# Altium PCB LimePSB-RPCM_1v3.PcbDoc (part 5 of 10) (continued)
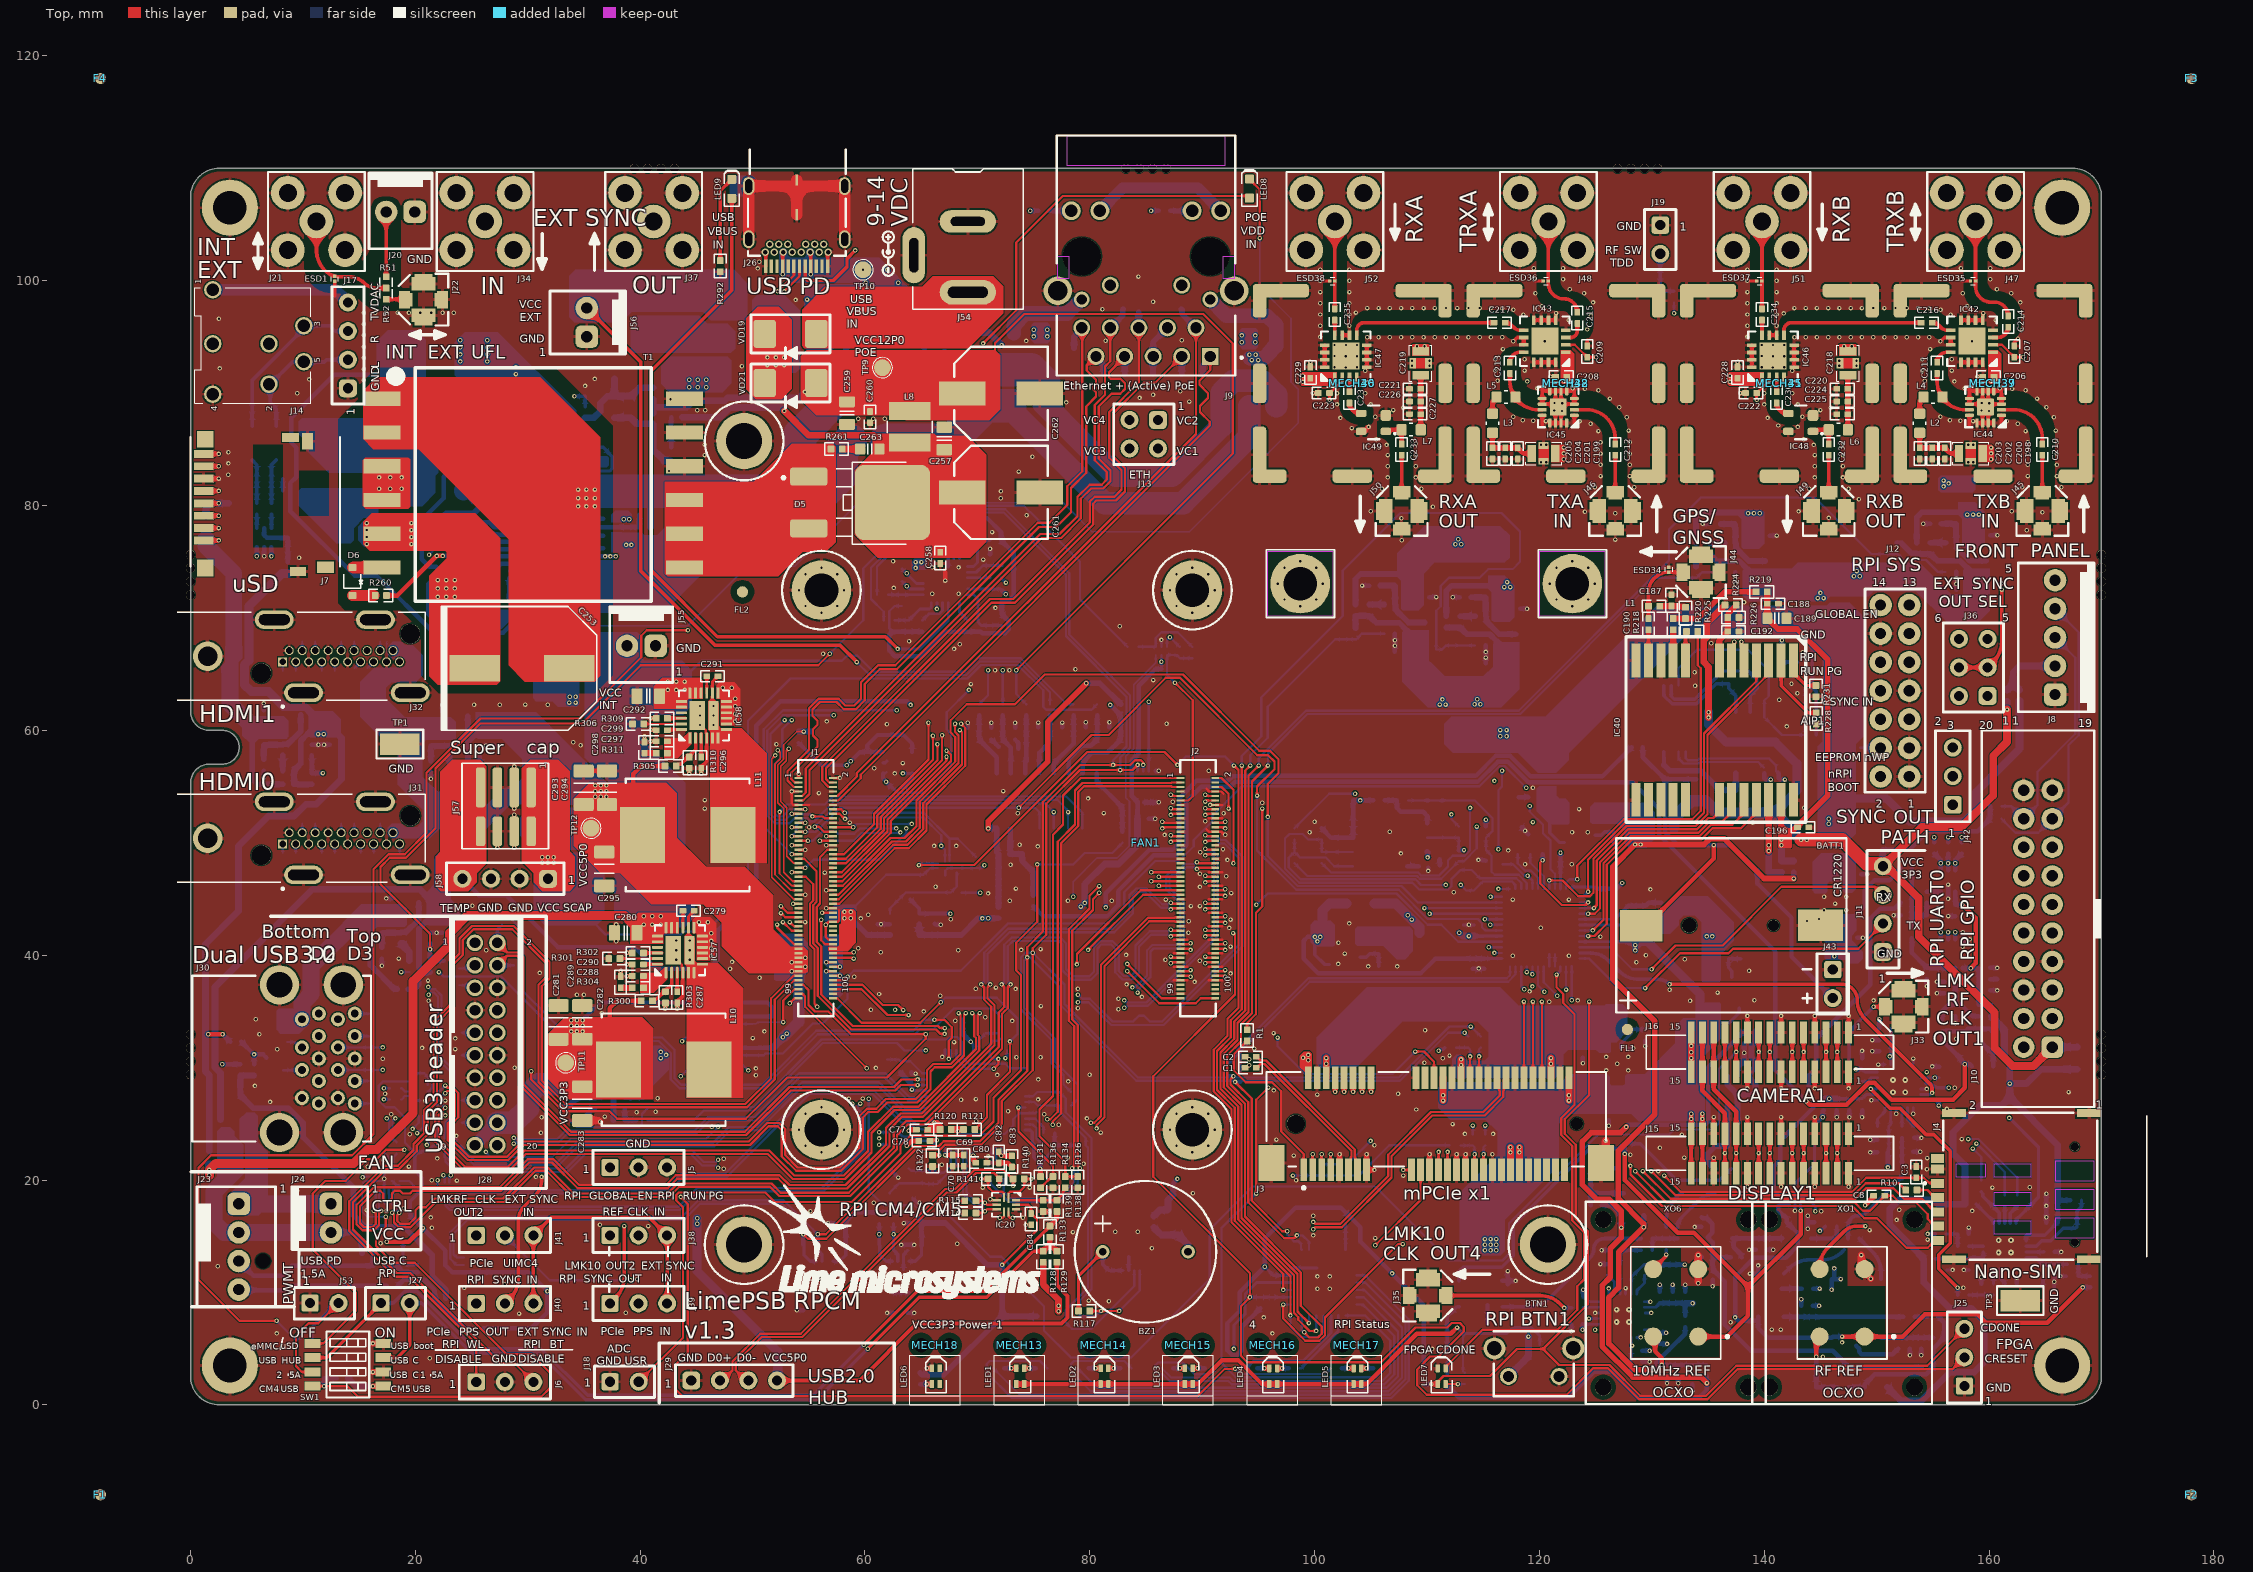
[diagram p0: Top view]
## Nets (pads, with @x,y where several pads share a name; then routed paths per layer and width w, separated by ;. In a path a pad name is that pad's centre, name@x,y a point inside that pad or via, vN(x,y) a via of type N, cw(c..) or ccw(c..) an arc to the next point about the centre after c; other vN are vias at no path point) (continued)
  Top w0.5: v1(16.225,2.92) SW1.6@17.14,2.92 ; v1(16.225,5.46) SW1.8@17.14,5.46
  Top w0.6: C283.1@34.85,25.3 36.325,25.3 v1(36.45,25.175) ; v1@134.125,10.9 v1(134.125,13.325) ; v1(148.625,13.325) 148.625,12.075 v1(149.484,11.216)
  Top w0.7: J3.54@125.9,22.369 v1(125.9,23.5)
  Top w1: J26.Shell@49.655,103.695 J26.Shell@49.655,108.425 ; J26.Shell@53.925,105.875 53.925,108.425 ; J26.Shell@53.925,108.975 53.925,108.425 ; J26.Shell@58.195,103.695 J26.Shell@58.195,108.425 ; J26.Shell@49.655,108.425 J26.Shell@58.195,108.425 ; J26.Shell@49.655,108.425 53.925,108.425 ; 53.925,108.425 J26.Shell@58.195,108.425
  L3 w0.5: 118.55,16.45 FAN1.1@120.75,14.25
  Bottom w0.2: 15.368,19.757 15.537,19.925 IC29.7@15.846,19.925 17.023,19.925 v1(17.223,20.125) ; IC29.12@17.223,21.102 17.223,17.952 17.45,17.725 v1(17.45,17.275) ; IC29.PAD@17.875,19.925 17.95,19.925 18.35,19.525 IC29.18@18.6,19.525 ; IC28.12@19.923,27.075 IC28.PAD@20.446,27.075 ; IC28.7@21.1,25.698 IC28.PAD@21.1,26.221 ; IC28.PAD@21.1,27.802 21.5,28.202 IC28.18@21.5,28.452 ; IC28.PAD@21.354,27.075 IC28.3@21.877,27.075 v1(22.65,27.075) ; v1(23.65,23.925) 23.65,23.485 23.66,23.475 IC26.3@23.675,23.475 ; IC1.2@86.375,67.437 v1(86.375,68.044) ; IC17.41@120.875,39 IC17.PAD@120.875,40.1 ; IC17.40@121.375,39 IC17.PAD@121.375,40.1
  Bottom w0.25: IC13.6@97.875,12.175 IC13.PAD@100.2,12.175 ; C64.1@113.225,42.7 C65.2@114.225,42.7 ; v1@124.954,8.174 IC36.16@125.489,8.174 ; IC36.19@126.164,9.849 v1@126.164,10.384 ; IC36.22@127.664,9.849 v1(127.665,10.385) ; IC36.7@128.664,5.999 v1@129.025,6 ; IC36.1@129.339,9.174 v1(129.875,9.174) ; v1(142.736,17.261) IC32.2@142.736,17.822 ; v1@149.54,27.1 IC30.1@150.075,27.1 ; v1@150.215,30.275 IC30.7@150.75,30.275 ; v1@151.75,25.89 IC30.22@151.75,26.425 ; v1(153.249,25.889) IC30.19@153.25,26.425 ; IC30.12@153.25,30.275 v1@153.25,30.81 ; IC30.16@153.925,28.1 v1@154.46,28.1
  Bottom w0.3: v1(34.15,89.725) D9.6@35.1,89.725 D9.5@35.1,88.775 ; IC41.5@61.6,57.125 61.8,57.125 61.95,57.275 IC41.5@61.95,57.25 ; XT2.4@62.282,20.893 v1(62.95,20.225) ; IC9.4@62.425,9.975 IC9.1@63.925,9.975 ; IC9.PAD@63.425,12.059 63.425,13.349 IC8.7@63.81,13.734 ; XT2.2@64.225,18.4 64.893,17.732 ; IC56.25@65.9,74.575 IC56.19@65.9,75.291 ; v1(66.875,30.95) 67.125,31.2 IC19.19@67.125,31.575 ; IC56.25@67.4,74.575 IC56.22@67.4,75.291 ; IC22.7@83.45,11.95 IC22.PAD@83.45,13.175 ; IC63.4@127.9,31.725 v1(128.35,31.725) ; v1(144.875,43.225) IC59.4@145.325,43.225 ; C135.1@156.25,12 v1(156.75,12) ; v1(157.75,12) C136.2@158.25,12 ; C156.1@165.776,11.45 v1(166.325,11.45) C154.1@166.874,11.45 ; R193.1@165.799,10.4 v1(165.8,10.95) C156.1@165.799,11.498
  Bottom w0.325: R34.1@8.2,81.325 C23.2@8.2,82.375
  Bottom w0.4: v1(6.51,55.796) R26.1@6.51,56.423 ; C17.2@6.51,61.773 v1(6.51,62.4) ; v1(6.55,75.5) IC5.2@6.55,76.275 ; IC4.2@10.8,58.725 C16.2@12.385,58.725 ; v1(17.023,39.071) R157.1@17.023,39.698 ; v1(17.421,45.048) C93.2@18.048,45.048 ; IC24.2@21.313,42 v1(21.888,42) 22.388,42 ; v1(21.385,55.696) R163.1@21.385,56.323 ; C97.2@22.41,61.673 v1(22.41,62.3) ; IC27.2@25.675,58.625 C96.2@27.26,58.625 ; IC23.2@38.625,27.337 C87.2@40.21,27.337 ; v1(53.945,8.425) IC11.4@54.52,8.425 ; v1(56.7,16.175) C43.2@57.275,16.175 ; 61.128,42.75 v1(61.425,42.75) IC38.2@62.225,42.75 ; v1(61.965,8.175) IC8.3@62.54,8.175 ; v1(63.235,14.225) IC8.7@63.81,14.225 v1(64.385,14.225) ; v1(63.45,16.175) C36.2@64.025,16.175 ; IC8.2@63.81,8.175 v1(64.385,8.175) ; C71.2@64.125,29.575 64.125,29.525 64.175,29.475 v1(64.5,29.475) ; C186.2@66.212,42.8 ccw(c66.453,43.041) 66.453,42.7 v1(66.75,42.7) ; v1(69.15,60.675) R59.1@69.151,60.235 R59.1@69.151,60.235 ; R288.1@71.116,75.67 71.125,75.679 v1(71.125,76.15) ; R60.1@71.251,60.235 v1(71.25,60.675) ; C38.2@71.251,59.185 71.883,58.553 ; R61.1@73.35,60.236 v1(73.35,60.675) ; C39.2@73.351,59.185 73.625,58.911 73.625,58.375 ; R62.1@75.425,60.261 v1(75.425,60.7) ; R63.1@77.55,60.261 v1(77.55,60.7) ; R64.1@79.65,60.286 v1(79.65,60.725) ; R49.2@81.75,60.286 v1(81.75,60.725) ; IC7.7@84.85,53.6 v1(86.125,53.6) ; C29.2@85.25,52.149 v1(85.825,52.149) ; IC7.4@85.85,56.4 v1(86.125,56.4) ; v1(104.221,72.89) R258.1@104.848,72.89 ; C239.2@107.15,67.015 IC53.2@107.15,68.6 ; IC18.PAD@108.238,47.925 109.262,47.925 ; v1(110.1,47.5) IC18.4@110.1,47.763 ; C243.2@110.198,71.865 v1(110.825,71.865) ; IC18.4@111.125,48.025 111.125,48.538 ; v1(112.298,71.85) R257.1@112.925,71.85 ; C59.1@114.087,38.775 C60.2@115.112,38.775 ; v1(114.575,48.475) 114.906,48.475 114.921,48.46 115.14,48.46 R109.1@115.208,48.392 ; C238.2@115.227,65.975 IC52.2@115.227,67.56 ; XO9.4@116.7,11.025 v1(117.875,11.025) ; XO9.4@117.175,10.725 v1(117.175,11.9) ; TP4.1@118.175,54.075 119.002,54.075 ; C242.2@118.275,70.825 v1(118.902,70.825) ; TP4.1@118.433,51.367 119.017,50.783 ; v1(122.839,6.539) C178.1@122.839,7.174 ; v1(123.875,30.4) C309.1@123.875,30.9 ; v1(125.429,12.525) C165.1@126.064,12.524 ; v1@125.529,13.749 R206.1@126.164,13.749 ; v1(126.175,24.825) C308.1@126.175,25.325 ; C168.1@129.164,3.824 v1(129.8,3.824) ; C170.1@129.164,4.824 v1@129.8,4.824 ; v1(129.425,31.9) R324.2@129.425,32.4 ; C180.1@130.714,5.424 v1(131.35,5.424) ; C179.1@130.714,10.049 v1(130.715,10.685) ; v1(131.349,1.914) C162.2@131.35,2.55 ; C176.1@131.839,10.049 v1(131.84,10.685) ; v1(132.349,1.914) C160.1@132.35,2.55 ; C175.1@132.964,10.049 v1(132.965,10.685) ; v1(133.599,1.212) C161.1@133.6,1.847 ; v1(133.8,15.825) IC31.2@134.375,15.825 ; v1(134.508,78.363) R256.1@135.135,78.363 ; v1(135.4,10.55) C132.1@135.4,11.125 ; C237.2@137.437,72.488 IC51.2@137.437,74.072 ; IC37.2@137.65,29.225 137.652,29.227 137.652,30.027 138.1,30.475 138.1,30.525 138.15,30.575 C181.1@138.2,30.575 138.225,30.6 C183.1@138.225,32.175 ; v1(138.65,13.8) C133.1@139.225,13.8 ; v1(138.725,11.675) XO4.4@139.45,11.675 v1(139.45,12.4) ; C131.1@140.225,13.8 v1(140.8,13.8) ; C241.2@140.485,77.338 v1(141.112,77.338) ; C122.1@143.3,8.825 v1(143.3,9.4) ; R318.2@143.8,42.55 v1(143.8,43.05) ; v1(143.875,15.675) XO5.2@143.875,16.25 ; v1(143.875,16.825) XO5.2@143.875,16.25 ; C121.1@144.3,8.825 v1(144.875,8.825) ; C123.1@144.35,10.35 v1(144.925,10.35) ; XO5.2@144.45,16.25 XO5.2@143.875,16.25 ; v1(145.989,10.24) XO2.2@145.989,11.19 v1(146.814,11.19) ; XO2.2@146.239,11.19 v1(146.239,12.14) ; v1(146.449,25.589) C124.1@146.45,26.225 ; v1(147.574,25.589) C125.1@147.575,26.225 ; C302.1@148.275,41.55 v1(148.775,41.55) ; C301.1@148.65,47.225 v1(149.15,47.225) ; v1(148.699,25.589) C127.1@148.7,26.225 ; C129.1@148.7,30.85 v1(148.701,31.486) ; v1(149.439,22.451) C118.1@150.075,22.45 ; v1(149.439,23.576) C119.1@150.075,23.575 ; v1@149.614,31.45 C120.1@150.25,31.45 ; v1(149.614,32.451) C117.1@150.25,32.45 ; v1(151.504,43.55) C143.1@152.14,43.549 ; v1(152.965,4.415) C115.1@152.965,4.99 ; R168.1@153.25,22.525 v1(153.886,22.524) ; C114.1@153.35,23.75 v1@153.986,23.75 ; v1(153.965,4.415) C116.1@153.965,4.99 ; v1(154.146,78.39) R255.1@154.773,78.39 ; v1(154.473,37.239) C148.2@154.474,37.874 ; v1(154.939,30.101) C126.1@155.575,30.1 ; v1@155.363,36.624 C152.1@155.999,36.624 ; v1(155.364,37.63) C153.2@155.999,37.63 ; R199.2@155.465,43.549 v1(155.464,44.185) ; v1(156.348,45.014) IC35.5@156.349,45.649 v1(156.348,46.285) ; v1@156.366,43.488 C159.2@157.001,43.488 ; v1(156.999,33.939) R190.2@156.999,34.575 ; C236.2@157.075,72.515 IC50.2@157.075,74.1 ; v1(157.648,40.764) IC33.8@157.649,41.399 ; v1(157.649,42.035) IC33.8@157.649,41.399 ; R189.1@158.2,15.2 v1(158.2,15.775) ; v1(158.284,41.399) IC33.8@157.649,41.399 ; R182.1@159.3,10.775 v1(159.3,11.35) ; C140.1@160.098,36.864 v1(160.734,36.864) ; C141.2@160.098,37.864 160.734,37.864 ; C142.2@160.098,38.864 v1(160.734,38.864) ; C240.2@160.123,77.365 v1(160.75,77.365) ; C157.2@162.45,10.825 v1(162.45,11.3) ; C144.2@165.1,16.2 C134.1@165.1,18.2 v1(165.1,18.775) ; R192.2@165.849,13.6 v1(166.424,13.6)
  Bottom w0.5: v1(134.125,13.325) 134.2,13.325 C130.1@134.4,13.125
  other v1: 21.275,4.15 145.225,4.275 129.8,4.824 110.475,4.975 146.925,5.55 30.15,5.6 129.025,6 7.675,6.35 96.25,6.35 140.675,6.7 141.475,6.7 137,7.35 95.475,7.775 122.2,8.075 29.225,8.125 124.954,8.174 38.725,8.2 46.125,8.575 81.7,9.225 79.9,9.275 100.25,10.325 101.35,10.325 126.165,10.36 24.35,10.4 157.725,10.425 27.95,10.725 134.125,10.825 39.75,11.175 100.25,11.425 101.35,11.425 2.425,12.325 125.529,13.75 85.525,13.925 68.2,14.325 16.9,14.375 154.525,14.7 105.388,14.838 99.875,15.075 78.5,15.375 82.275,15.4 84.275,15.4 149.375,15.55 21.475,15.75 40.725,15.9 74.3,16 36.425,16.025 151.775,16.45 74.05,16.65 21.375,16.675 165.1,16.7 99.875,16.825 55.15,17.225 145.075,17.225 158.5,17.25 15.675,17.325 152,17.35 18.975,17.5 68.3,17.6 165.1,17.7 60.775,17.975 64.85,18 89.175,18.825 9.5,19.025 74.65,19.325 160.3,19.325 70.475,19.331 163.625,19.35 23.7,19.95 21.45,19.975 98.35,19.975 30.725,20.275 107.875,20.4 130.575,20.8 154.475,20.95 47.425,21 15.775,21.175 19.425,21.2 66.825,21.35 79.45,21.45 65,21.675 17.15,21.75 47.425,21.9 21.95,21.925 154.5,21.95 78.05,22 132.875,22 70.95,22.1 98.15,22.175 128.1,22.25 115.825,22.3 74.525,22.375 130.725,22.875 105.325,23.1 96.6,23.6 157.575,23.65 61.25,23.7 153.986,23.749 132.675,24.05 19.5,24.075 113.375,24.1 115.875,24.1 31.175,24.2 80.975,24.225 46.375,24.75 77.238,24.922 112.275,24.975 69.9,25.225 79.75,25.475 31.225,25.575 36.85,25.65 17.85,25.85 75.95,25.85 151.749,25.889 39.675,26.025 41.375,26.075 72.725,26.125 109.05,26.275 156.25,26.325 7.075,26.95 20.9,27.075 149.539,27.101 68.55,27.15 75.4,27.175 69.875,27.2 58.575,27.25 59.8,27.25 41.55,27.275 100.225,27.6 17.3,27.675 107.425,27.675 167.075,27.825 96.375,27.975 154.461,28.101 156.95,28.2 5.725,28.375 78.075,28.775 75.425,28.95 50.3,29.325 71.775,29.35 79.975,29.375 125.95,29.75 127.9,29.75 50.3,29.925 60.975,29.975 28.825,30 150.139,30.274 126.925,30.35 109.775,30.425 17.1,30.8 111.4,30.825 153.249,30.811 73.475,30.925 75.625,30.925 125.95,30.95 127.9,30.95 112,31.075 138.225,31.325 149.614,31.451 7.725,31.625 23.55,31.65 94.625,31.7 20.6,31.75 67.925,32.275 157.075,32.575 23.55,32.6 50.025,32.625 6.125,32.975 96.35,33.075 51.05,33.225 109.825,33.325 73.1,34.15 68.025,34.175 5.8,34.3 70.7,34.475 36.6,34.85 65.225,35 60.525,35.15 62.675,35.15 82.55,35.2 78.95,35.275 75.65,35.475 120.875,35.85 21.175,35.95 133.4,35.95 123.4,35.975 149.725,35.975 139.125,36 82.55,36.125 84.639,36.286 66.7,36.4 34.375,36.475 35,36.475 61.25,36.55 155.363,36.625 135.85,36.675 119.125,36.775 131.575,36.925 73.4,37 69.85,37.025 78.95,37.025 71.65,37.125 83.275,37.4 32.475,37.525 89.325,37.625 21.125,37.75 50.625,38 59.05,38.075 92.525,38.375 31.075,38.425 138.65,38.625 48,38.8 114.6,38.825 104.775,39 107.35,39 102.1,39.225 128.625,39.375 48.175,39.4 89.775,39.5 86.725,39.6 132.925,39.65 18.525,39.7 46.325,39.925 117.625,39.95 122.625,39.95 129.475,40 83.225,40.025 102.675,40.15 61.4,40.275 26.3,40.45 68.3,40.45 73.9,40.475 75.625,40.55 46.325,40.6 59.4,40.625 92.525,40.775 102.125,41.1 46.325,41.275 125.425,41.65 10.95,41.725 46.325,41.95 88.775,42 92.4,42.425 120.125,42.45 113.725,42.7 103.075,42.825 45.225,42.925 46.025,42.925 54.675,42.95 88.8,43.025 92.525,43.175 67.625,43.2 59.625,43.275 156.366,43.487 60.3,43.6 145.325,44 147.275,44 89,44.375 89.8,44.375 25.075,44.4 146.3,44.6 72.875,44.85 78.05,44.85 81.95,44.85 86.75,44.95 117.625,44.95 122.625,44.95 145.325,45.2 147.275,45.2 70.95,45.5 92.575,45.525 112.375,45.6 129.875,45.85 73.425,45.925 66.275,46.1 89.8,46.075 92.15,47.025 89.8,47.25 56.425,47.35 72.95,48.05 118.725,48.1 122.875,48.1 92.25,48.475 107.675,49.05 89.825,49.15 117.225,49.325 91.85,49.425 75.375,49.675 66.15,49.725 68.125,49.725 73.75,49.825 86.65,50.7 92.05,50.725 99.55,50.95 122.9,50.95 124.296,50.95 106.675,50.975 118.725,51.075 55.025,51.375 138.975,51.775 58.65,51.8 100,51.875 90.275,51.925 73.6,52.625 91.9,52.625 81.25,52.65 123.525,53 45.75,53.05 143.55,53.125 95.35,53.575 87.375,53.65 45.75,53.8 79.85,53.95 55.9,54.425 72.3,54.6 119.421,54.9 62.65,56.175 90.575,56.4 60.825,56.625 63.35,57.1 26.25,58.625 26.75,58.625 34.7,58.675 11.375,58.725 11.875,58.725 52.125,58.775 34.05,58.95 142,60.35 61.95,60.55 86.825,60.6 48.45,60.8 56.6,60.8 48.45,61.475 48.45,62.15 25.225,62.275 27.5,62.275 31.775,62.275 29.775,62.3 141.325,62.725 48.45,62.825 142.95,63.3 47.35,63.8 48.15,63.8 133.85,63.975 69.425,64.125 142.425,64.15 85.65,64.475 133.8,65.175 71.575,65.35 72.85,65.35 78.725,65.45 115.227,66.485 56.275,66.825 143.425,66.975 115.227,66.985 67.925,67.25 107.15,67.525 68.425,67.675 135.275,67.75 63.925,67.925 107.15,68.025 82.675,69.275 71.6,70.9 138.2,71.4 65.975,72.15 68.325,72.15 62.55,72.675 137.437,72.998 157.075,73.025 161.125,73.075 137.437,73.498 157.075,73.525 65.975,74.5 68.325,74.5 62.5,75.05 70.525,75.2 9.65,75.35 107.75,76.925 126.75,76.975 71.3,77.65 163.35,77.8 107.725,78.875 145.75,78.9 74.375,79.15 126.75,79.325 164.75,79.4 124.05,79.45 143.05,79.475 105,79.5 162.025,79.5 110.525,79.9 148.425,80.575 72.075,80.65 72.1,81.275 106,81.5 109.5,81.5 144,81.5 147.5,81.5 124.94,81.625 128.44,81.625 162.94,81.625 166.44,81.625 106.5,82.5 144.5,82.5 125.44,82.625 163.44,82.625 166.04,82.625 3.35,82.75 73.675,83.025 42.575,83.075 106.5,83.5 109,83.5 144.5,83.5 147,83.5 125.44,83.625 128.04,83.625 163.44,83.625 166.04,83.625 3.375,83.75 120.15,83.862 120.6,83.862 158.15,83.862 158.6,83.862 74.9,84.35 45.725,84.5 106.5,84.5 109,84.5 144.5,84.5 147,84.5 125.44,84.625 128.04,84.625 163.44,84.625 166.04,84.625 3.375,84.75 106.4,85.4 120.15,85.412 120.6,85.412 144.4,85.4 158.15,85.412 158.6,85.412 45.725,85.425 109,85.5 147,85.5 125.44,85.625 128.04,85.625 163.44,85.625 166.04,85.625 105.5,85.9 143.5,85.9 125.25,86.625 163.25,86.625 127.925,86.675 165.925,86.675 103.3,86.9 142.975,87 141.25,87.125 124.55,87.275 162.55,87.275 123.575,87.5 161.575,87.5 119.45,87.55 157.45,87.55 118.525,87.6 156.525,87.6 59.4,87.725 60.725,87.725 61.75,87.725 102.3,87.8 140.3,87.8 127.775,87.85 165.775,87.85 105.4,87.9 117.675,87.9 143.4,87.9 155.675,87.9 122,88.425 160,88.425 121.325,88.45 159.325,88.45 45.075,88.475 45.8,88.475 107,88.5 145,88.5 107.9,88.7 145.925,88.725 127.1,88.75 165.1,88.75 102,89 105,89 140,89 143,89 122.025,89.1 160.025,89.1 121.35,89.125 159.35,89.125 77.9,89.175 88.85,89.25 42.7,89.45 126.275,89.525 164.275,89.525 84.425,89.575 85.625,89.85 9.5,90 102,90 104.5,90 140,90 142.5,90 88.05,90.175 49.1,90.25 125.25,90.25 163.25,90.25 124.05,90.375 162.05,90.375 119.825,90.425 157.825,90.425 35.1,90.65 104.5,91 142.5,91 156.925,91.05 116.275,91.1 154.275,91.1 15.425,91.15 10.55,91.225 35.963,91.262 104.5,92 116.075,92.013 118.675,92.013 142.5,92 154.075,92.013 156.675,92.013 15.425,92.15 2.6,92.2 49.05,92.4 108.665,92.438 110.215,92.438 146.665,92.438 148.215,92.438 108.665,92.888 110.215,92.888 146.665,92.888 148.215,92.888 116.075,93.013 118.675,93.013 154.075,93.013 156.675,93.013 15.425,93.15 116.75,93.925 154.75,93.925 15.425,94.15 74.35,94.65 81.4,94.675 88.175,94.7 104.688,94.975 105.688,94.975 106.688,94.975 107.688,94.975 108.687,94.975 109.687,94.975 110.687,94.975 111.687,94.975 112.687,94.975 113.687,94.975 114.687,94.975 115.687,94.975 116.687,94.975 142.688,94.975 143.688,94.975 144.688,94.975 145.687,94.975 146.687,94.975 147.687,94.975 148.687,94.975 149.687,94.975 150.687,94.975 151.687,94.975 152.687,94.975 153.687,94.975 154.687,94.975 100.5,95 138.5,95 15.425,95.15 162.9,95.6 124.25,95.673 100.5,96 103.1,96 138.5,96 141.1,96 15.425,96.15 122.6,96.5 160.6,96.5 2.525,96.625 163,96.825 124.575,96.875 118.575,96.975 156.575,96.975 100.5,97 103.1,97 138.5,97 141.1,97 141.725,97.1 121.475,97.125 159.475,97.125 15.425,97.15 16.425,97.15 17.425,97.15 18.425,97.15 19.425,97.15 20.425,97.15 21.425,97.15 22.425,97.15 23.425,97.15 103.675,97.175 117.687,97.425 155.687,97.425 81.125,97.475 104.688,97.575 105.688,97.575 106.688,97.575 107.688,97.575 108.687,97.575 109.687,97.575 110.687,97.575 111.687,97.575 112.687,97.575 113.687,97.575 114.687,97.575 115.687,97.575 116.687,97.575 142.688,97.575 143.688,97.575 144.688,97.575 145.687,97.575 146.687,97.575 147.687,97.575 148.687,97.575 149.687,97.575 150.687,97.575 151.687,97.575 152.687,97.575 153.687,97.575 154.687,97.575 120.225,97.75 158.075,97.75 100.5,98 103.1,98 138.5,98 141.1,98 124.775,98.075 162.775,98.075 85.625,98.125 53.825,98.3 119.65,98.9 123.975,98.9 157.65,98.9 161.975,98.9 100.5,99 103.1,99 138.5,99 141.1,99 122.7,99.25 160.7,99.25 100.5,100 103.1,100 138.5,100 141.1,100 122.1,100.125 160.1,100.125 84.325,100.375 100.5,101 103.1,101 138.5,101 141.1,101 50.45,101.1 119.5,101.125 122.1,101.125 157.5,101.125 160.1,101.125 50.6,101.7
  other v2: 126.864,7.374 127.964,7.374 126.864,8.474 127.964,8.474 160.85,13.55 161.95,13.55 160.85,14.65 161.95,14.65 151.45,27.8 152.55,27.8 151.45,28.9 152.55,28.9 43.2,39.6 43.2,40.45 43.2,41.3 45.325,60.475 45.325,61.325 45.325,62.175
GNDE1: C254.1 FR16.2 IC54.6 IC54.8 IC54.9 IC54.10 IC54.PAD R259.1 R262.1 R265.2 R271.2 | length 40.4
  Bottom w0.4: IC54.PAD@31.775,76.125 IC54.6@34.454,76.125
  Bottom w3: IC54.PAD@31.45,76.45 31.45,73.8 33.325,71.925 41.45,71.925 ; 41.45,71.95 47.025,77.525 52.65,77.525 57.9,82.775 57.9,85 58.7,85.8
  other v1: 38.75,76.5 39.225,76.5 38.55,78.775 39.025,78.775
GNDE2: AT1.3 C252.1 C253.2 C256.2 C264.1 C265.1 C266.2 C267.2 C269.1 IC54.7 IC54.14 IC54.19 R276.1 R277.1 T1.5 VT4.3 | length 34
  Bottom w0.4: C256.2@25.425,73.2 25.691,73.466 25.691,73.691 27.475,75.475 IC54.14@28.446,75.475 ; C269.1@26.75,80.6 26.75,79.55 27.575,78.725 IC54.19@28.446,78.725 ; IC54.7@34.454,75.475 v1(36.875,75.475) v1(37.825,75.475)
  Bottom w0.6: C264.1@21.95,77.275 21.95,77.95 22.225,78.225 C265.1@22.225,78.5 22.225,78.725 22.775,79.275 25.15,79.275 26.384,80.509 26.659,80.509 C269.1@26.75,80.6
  Bottom w1: VT4.3@24.125,86.9 24.125,91.514 24.711,92.1 24.9,92.1 25.2,92.4 R277.1@25.2,93.425 ; C269.1@26.75,80.6 26.75,81.125 29.75,84.125 C252.1@34.5,84.125
  other v1: 22,71.875 22.75,71.875 23.5,71.875 22,72.625 22.75,72.625 23.5,72.625 22,73.375 22.75,73.375 23.5,73.375 37.35,75.475 15.675,76.575 19.65,76.575 15.675,77.2 19.65,77.2 15.675,77.825 19.65,77.825 15.675,78.45 19.65,78.45 28.95,91.7 28.95,92.325 24,92.825 26.4,92.825 24,93.45 26.4,93.45 24,94.075 26.4,94.075 24,94.7 26.4,94.7
"GNSS _DDC_SCL": IC17.28 IC40.19 | length 20.8
  Top w0.2: v1(124.325,43.7) 124.916,43.7 125.4,44.184 125.4,48.303 127.997,50.9 134.148,50.9 135.148,51.9 136.275,51.9 136.8,52.425 136.8,53.525 IC40.19@137.1,53.825
  Bottom w0.2: IC17.28@123.575,43.7 v1(124.325,43.7)
"GNSS _DDC_SDA": IC17.27 IC40.18 | length 19.4
  Top w0.2: v1(124.85,44.2) 125.1,44.45 125.1,48.427 127.873,51.2 134.024,51.2 135.024,52.2 135.45,52.2 135.675,52.425 135.7,52.425 136,52.725 IC40.18@136,53.825
  Bottom w0.2: IC17.27@123.575,44.2 v1(124.85,44.2)
GNSS_EXTINT: IC17.25 IC40.4 | length 31.3
  Top w0.2: v1(124.325,45.65) 124.325,48.501 127.624,51.8 133.775,51.8 134.65,52.675 134.65,59.724 139.3,64.374 IC40.4@139.3,66.225
  Bottom w0.2: IC17.25@123.575,45.2 123.875,45.2 v1(124.325,45.65)
GNSS_RESET: IC17.23 R225.1 | length 32
  Top w0.2: v1(123.375,46.75) 123.375,47.975 127.5,52.1 133.599,52.1 134.35,52.851 134.35,65.525 134.075,65.8 R225.1@134.075,68.8
  Bottom w0.2: IC17.23@122.375,45.9 122.375,46.45 122.675,46.75 v1(123.375,46.75)
GNSS_RF_IN: C190.1 ESD34.1 J44.1 L1.1 | length 6.3
  Top w0.325: C190.1@129.7,69.95 129.7,72.275 cw(c131.5,72.275) ESD34.1@131.5,74.075 J44.1@132.675,74.075
GNSS_TPULSE: IC17.20 IC40.3 | length 36.1
  Top w0.2: v1(120.875,46.65) 122.05,46.65 123.45,45.25 124.491,45.25 124.8,45.559 124.8,48.551 127.749,51.5 133.899,51.5 134.95,52.551 134.95,59.6 140.4,65.05 IC40.3@140.4,66.225
  Bottom w0.2: IC17.20@120.875,45.9 v1(120.875,46.65)
GNSS_UART_RX: IC17.32 IC40.21 | length 24.5
  Top w0.2: v1(124.325,41.7) 124.9,41.7 126,42.8 126,48.054 128.246,50.3 134.396,50.3 135.396,51.3 137.934,51.3 139,52.366 139,53.525 IC40.21@139.3,53.825
  Bottom w0.2: IC17.32@123.575,41.7 v1(124.325,41.7)
GNSS_UART_TX: IC17.31 IC40.20 | length 23.1
  Top w0.2: v1(124.75,42.2) 125.7,43.15 125.7,48.179 128.121,50.6 134.272,50.6 135.272,51.6 137.15,51.6 137.9,52.35 137.9,53.525 IC40.20@138.2,53.825
  Bottom w0.2: IC17.31@123.575,42.2 v1(124.75,42.2)
GNSS_USB_D_N: IC40.5 R127.1 | length 106
  Top w0.2: v1(78.425,21.05) 78.425,21.07 78.622,21.267 78.622,22.252 78.625,22.254 78.625,33.675 78.137,34.163 78.137,42.312 79.978,44.153 79.978,45.288 v1@80.841,46.15 ; IC40.5@137.968,67.557 138.2,67.325 IC40.5@138.2,66.225
  Top w0.32: IC40.5@137.968,67.557 v1(137.968,67.893)
  L4 w0.1: v1(80.836,46.15) 80.845,46.15 81.045,45.95 83.207,45.95 83.224,45.933 83.407,45.75 86.267,45.75 86.492,45.975 88.308,45.975 88.708,45.575 90.512,45.575 91.512,46.575 93.8,46.575 102.225,55 102.45,55.225 113.217,55.225 115.042,57.05 122.75,57.05 134.562,68.862 137.395,68.862 137.75,68.508 137.75,68.111 v1(137.968,67.893)
  Bottom w0.2: R127.1@72.075,20.3 72.35,20.025 72.35,18.934 72.934,18.35 77.151,18.35 78.625,19.824 78.625,20.85 v1(78.425,21.05)
GNSS_USB_D_P: IC40.6 R125.1 | length 106.3
  Top w0.2: v1(79.125,21.056) 79.125,21.071 78.922,21.273 78.922,22.127 78.925,22.13 78.925,33.799 78.437,34.287 78.437,42.188 80.278,44.029 80.278,44.988 v1@80.841,45.55 ; IC40.6@137.1,66.225 137.1,67.325 IC40.6@137.332,67.557
  Top w0.32: IC40.6@137.332,67.557 v1(137.332,67.893)
  L4 w0.1: v1(80.836,45.55) 80.845,45.55 81.045,45.75 83.124,45.75 83.141,45.733 83.324,45.55 84.957,45.55 86.35,45.55 86.575,45.775 88.225,45.775 88.625,45.375 90.595,45.375 91.595,46.375 93.883,46.375 102.533,55.025 113.3,55.025 115.125,56.85 122.833,56.85 134.645,68.662 137.313,68.662 137.55,68.425 137.55,68.111 v1(137.332,67.893)
  Bottom w0.2: R125.1@70.975,20.3 71.159,20.116 71.159,19.7 72.809,18.05 77.275,18.05 78.925,19.7 78.925,20.856 v1(79.125,21.056)
GNSS_USB_VDD: C192.1 IC40.7 R224.2 R226.2 | length 5.5
  Top w0.5: IC40.7@136,66.225 136,68.025 136.75,68.775 C192.1@136.75,68.8 R226.2@136.75,70.05 136.8,70.1 136.8,70.39 137.45,71.04 137.45,71.1 R224.2@137.5,71.15
GNSS_VCC_RF: IC40.9 R218.2 | length 2.7
  Top w0.5: IC40.9@131.9,66.225 R218.2@131.9,68.95
HDMI0_CEC: ESD14.1 J2.51 J31.13 | length 84.4
  Top w0.2: v1(78.858,39.175) 78.858,40.108 84.525,45.775 J2.51@88.085,45.775
  L3 w0.1: J31.13@15.136,49.898 15.614,49.42 15.614,47.403 18.592,44.425 24.1,44.425 24.675,43.85 29.825,43.85 36.625,37.05 60.424,37.05 61.774,38.4 78.083,38.4 v1(78.858,39.175)
  Bottom w0.15: ESD14.1@15.136,49.075 J31.13@15.136,49.898
HDMI0_CLK_N: ESD13.1 J2.90 J31.12 | length 91.9
  Top w0.2: J2.90@91.165,38.175 91.95,38.175 v1(92.05,38.075)
  L3 w0.1: J31.12@14.558,50.898 14.08,51.376 14.08,51.83 14.375,52.125 17.75,52.125 21.95,47.925 21.95,46.617 23.067,45.5 29.425,45.5 29.9,45.025 34.115,45.025 ccw(c34.115,45.485) 34.575,45.485 34.575,46.797 cw(c34.835,46.797) 34.835,47.057 34.915,47.057 cw(c34.915,46.797) 35.175,46.797 35.175,45.485 ccw(c35.635,45.485) 35.635,45.025 44.917,45.025 48.967,40.975 87.517,40.975 88.617,39.875 89.55,39.875 89.925,40.25 90.525,40.25 91.25,39.525 91.25,38.575 91.55,38.275 91.841,38.275 92.041,38.075 v1(92.05,38.075)
  Bottom w0.15: J31.12@14.558,50.898 ESD13.1@14.558,51.722
HDMI0_CLK_P: ESD12.1 J2.88 J31.10 | length 92.2
  Top w0.2: J2.88@91.165,38.575 91.95,38.575 v1(92.05,38.675)
  L3 w0.1: J31.10@13.402,50.898 13.88,51.376 13.88,51.913 14.292,52.325 17.833,52.325 17.983,52.175 22.15,48.008 22.15,46.7 23.15,45.7 29.508,45.7 29.983,45.225 34.115,45.225 ccw(c34.115,45.485) 34.375,45.485 34.375,46.797 cw(c34.835,46.797) 34.835,47.257 34.915,47.257 cw(c34.915,46.797) 35.375,46.797 35.375,45.485 ccw(c35.635,45.485) 35.635,45.225 45,45.225 49.05,41.175 87.6,41.175 88.7,40.075 89.467,40.075 89.842,40.45 90.608,40.45 91.075,39.983 91.45,39.608 91.45,38.658 91.633,38.475 91.841,38.475 92.041,38.675 v1(92.05,38.675)
  Bottom w0.15: J31.10@13.402,50.898 ESD12.1@13.402,51.722
HDMI0_D0_N: ESD11.1 J2.84 J31.9 | length 92.2
  Top w0.2: v1(90.28,39.275) 90.38,39.375 J2.84@91.165,39.375
  L3 w0.1: J31.9@12.824,49.898 12.346,49.42 12.346,48.587 12.85,48.083 12.85,47.029 13.104,46.775 13.65,46.775 13.85,46.575 13.85,46.029 15.729,44.15 23.958,44.15 24.458,43.65 29.633,43.65 36.616,36.667 60.384,36.667 61.892,38.175 83.742,38.175 85.612,40.045 85.612,40.462 85.825,40.675 86.3,40.675 86.525,40.45 86.85,40.45 87.075,40.675 87.35,40.675 88.6,39.425 89.233,39.425 90.258,38.4 90.7,38.4 90.825,38.525 90.825,39.375 90.725,39.475 90.489,39.475 90.289,39.275 v1(90.28,39.275)
  Bottom w0.15: ESD11.1@12.824,49.075 J31.9@12.824,49.898
HDMI0_D0_P: ESD10.1 J2.82 J31.7 | length 92.3
  Top w0.2: v1(90.28,39.875) 90.38,39.775 J2.82@91.165,39.775
  L3 w0.1: J31.7@11.668,49.898 12.146,49.42 12.146,48.504 12.65,48 12.65,46.946 15.646,43.95 23.875,43.95 24.375,43.45 29.55,43.45 36.45,36.55 36.533,36.467 60.467,36.467 61.975,37.975 83.825,37.975 86.075,40.225 87.517,40.225 88.517,39.225 89.15,39.225 90.009,38.366 90.175,38.2 90.783,38.2 91.025,38.442 91.025,38.692 91.025,39.458 90.808,39.675 90.489,39.675 90.289,39.875 v1(90.28,39.875)
  Bottom w0.15: ESD10.1@11.668,49.075 J31.7@11.668,49.898
HDMI0_D1_N: ESD9.1 J2.78 J31.6 | length 92.4
  Top w0.2: J2.78@91.165,40.575 91.95,40.575 v1(92.05,40.475)
  L3 w0.1: J31.6@11.09,50.898 10.6,51.388 10.6,51.992 10.783,52.175 12.225,52.175 14.725,54.675 19.825,54.675 23.75,50.75 40.267,50.75 49.492,41.525 82.9,41.525 85.733,41.525 86.833,42.625 87.367,42.625 88.542,41.45 89.3,41.45 89.675,41.075 91.05,41.075 91.45,40.675 91.841,40.675 92.041,40.475 v1(92.05,40.475)
  Bottom w0.15: J31.6@11.09,50.898 ESD9.1@11.09,51.722
HDMI0_D1_P: ESD8.1 J2.76 J31.4 | length 92.7
  Top w0.2: J2.76@91.165,40.975 91.95,40.975 v1(92.05,41.075)
  L3 w0.1: J31.4@9.934,50.898 10.4,51.364 10.4,52.075 10.7,52.375 12.142,52.375 14.642,54.875 19.908,54.875 23.833,50.95 40.35,50.95 49.575,41.725 85.65,41.725 86.75,42.825 87.45,42.825 88.625,41.65 89.383,41.65 89.758,41.275 91.133,41.275 91.533,40.875 91.841,40.875 92.041,41.075 v1(92.05,41.075)
  Bottom w0.15: J31.4@9.934,50.898 ESD8.1@9.934,51.722
HDMI0_D2_N: ESD7.1 J2.72 J31.3 | length 92.4
  Top w0.2: v1(90.28,41.675) 90.38,41.775 J2.72@91.165,41.775
  L3 w0.1: J31.3@9.355,49.898 9.356,51.981 10.1,52.725 12.033,52.725 14.433,55.125 20.167,55.125 23.992,51.3 40.642,51.3 49.842,42.1 85.533,42.1 86.458,43.025 87.825,43.025 88.4,42.45 89.05,42.45 89.625,41.875 90.071,41.875 90.271,41.675 v1(90.28,41.675)
  Bottom w0.15: ESD7.1@9.356,49.075 J31.3@9.355,49.898
HDMI0_D2_P: ESD6.1 J2.70 J31.1 | length 93.1
  Top w0.2: v1(90.28,42.275) 90.38,42.175 J2.70@91.165,42.175
  L3 w0.1: J31.1@8.2,49.898 8.2,51.125 10,52.925 11.95,52.925 14.35,55.325 20.25,55.325 24.075,51.5 40.725,51.5 49.925,42.3 85.45,42.3 86.375,43.225 87.908,43.225 88.483,42.65 89.133,42.65 89.708,42.075 90.071,42.075 90.271,42.275 v1(90.28,42.275)
  Bottom w0.15: ESD6.1@8.2,49.075 J31.1@8.2,49.898
HDMI0_HPD: ESD17.1 J2.53 J31.19 | length 82.6
  Top w0.2: v1(79.85,40.475) 84.75,45.375 J2.53@88.085,45.375
  L3 w0.1: J31.19@18.604,49.898 17.07,48.364 17.07,46.796 18.62,45.245 29.278,45.245 36.874,37.65 60.175,37.65 61.675,39.15 77.125,39.15 78.45,40.475 v1(79.85,40.475)
  Bottom w0.15: ESD17.1@18.604,49.075 J31.19@18.604,49.898
HDMI0_SCL: ESD15.1 J2.100 J31.15 | length 85.8
  Top w0.2: v1(83.325,38.575) 86.175,35.725 89.425,35.725 89.875,36.175 J2.100@91.165,36.175
  L3 w0.1: J31.15@16.292,49.898 15.814,49.42 15.814,47.486 18.675,44.625 24.183,44.625 24.758,44.05 29.908,44.05 36.708,37.25 60.341,37.25 61.716,38.625 77.65,38.625 78.625,39.6 79.225,39.6 80.25,38.575 v1(83.325,38.575)
  Bottom w0.15: ESD15.1@16.292,49.075 J31.15@16.292,49.898